# Altium PCB Angler_Main_PCB_V2.PcbDoc (part 1 of 2) (continued)
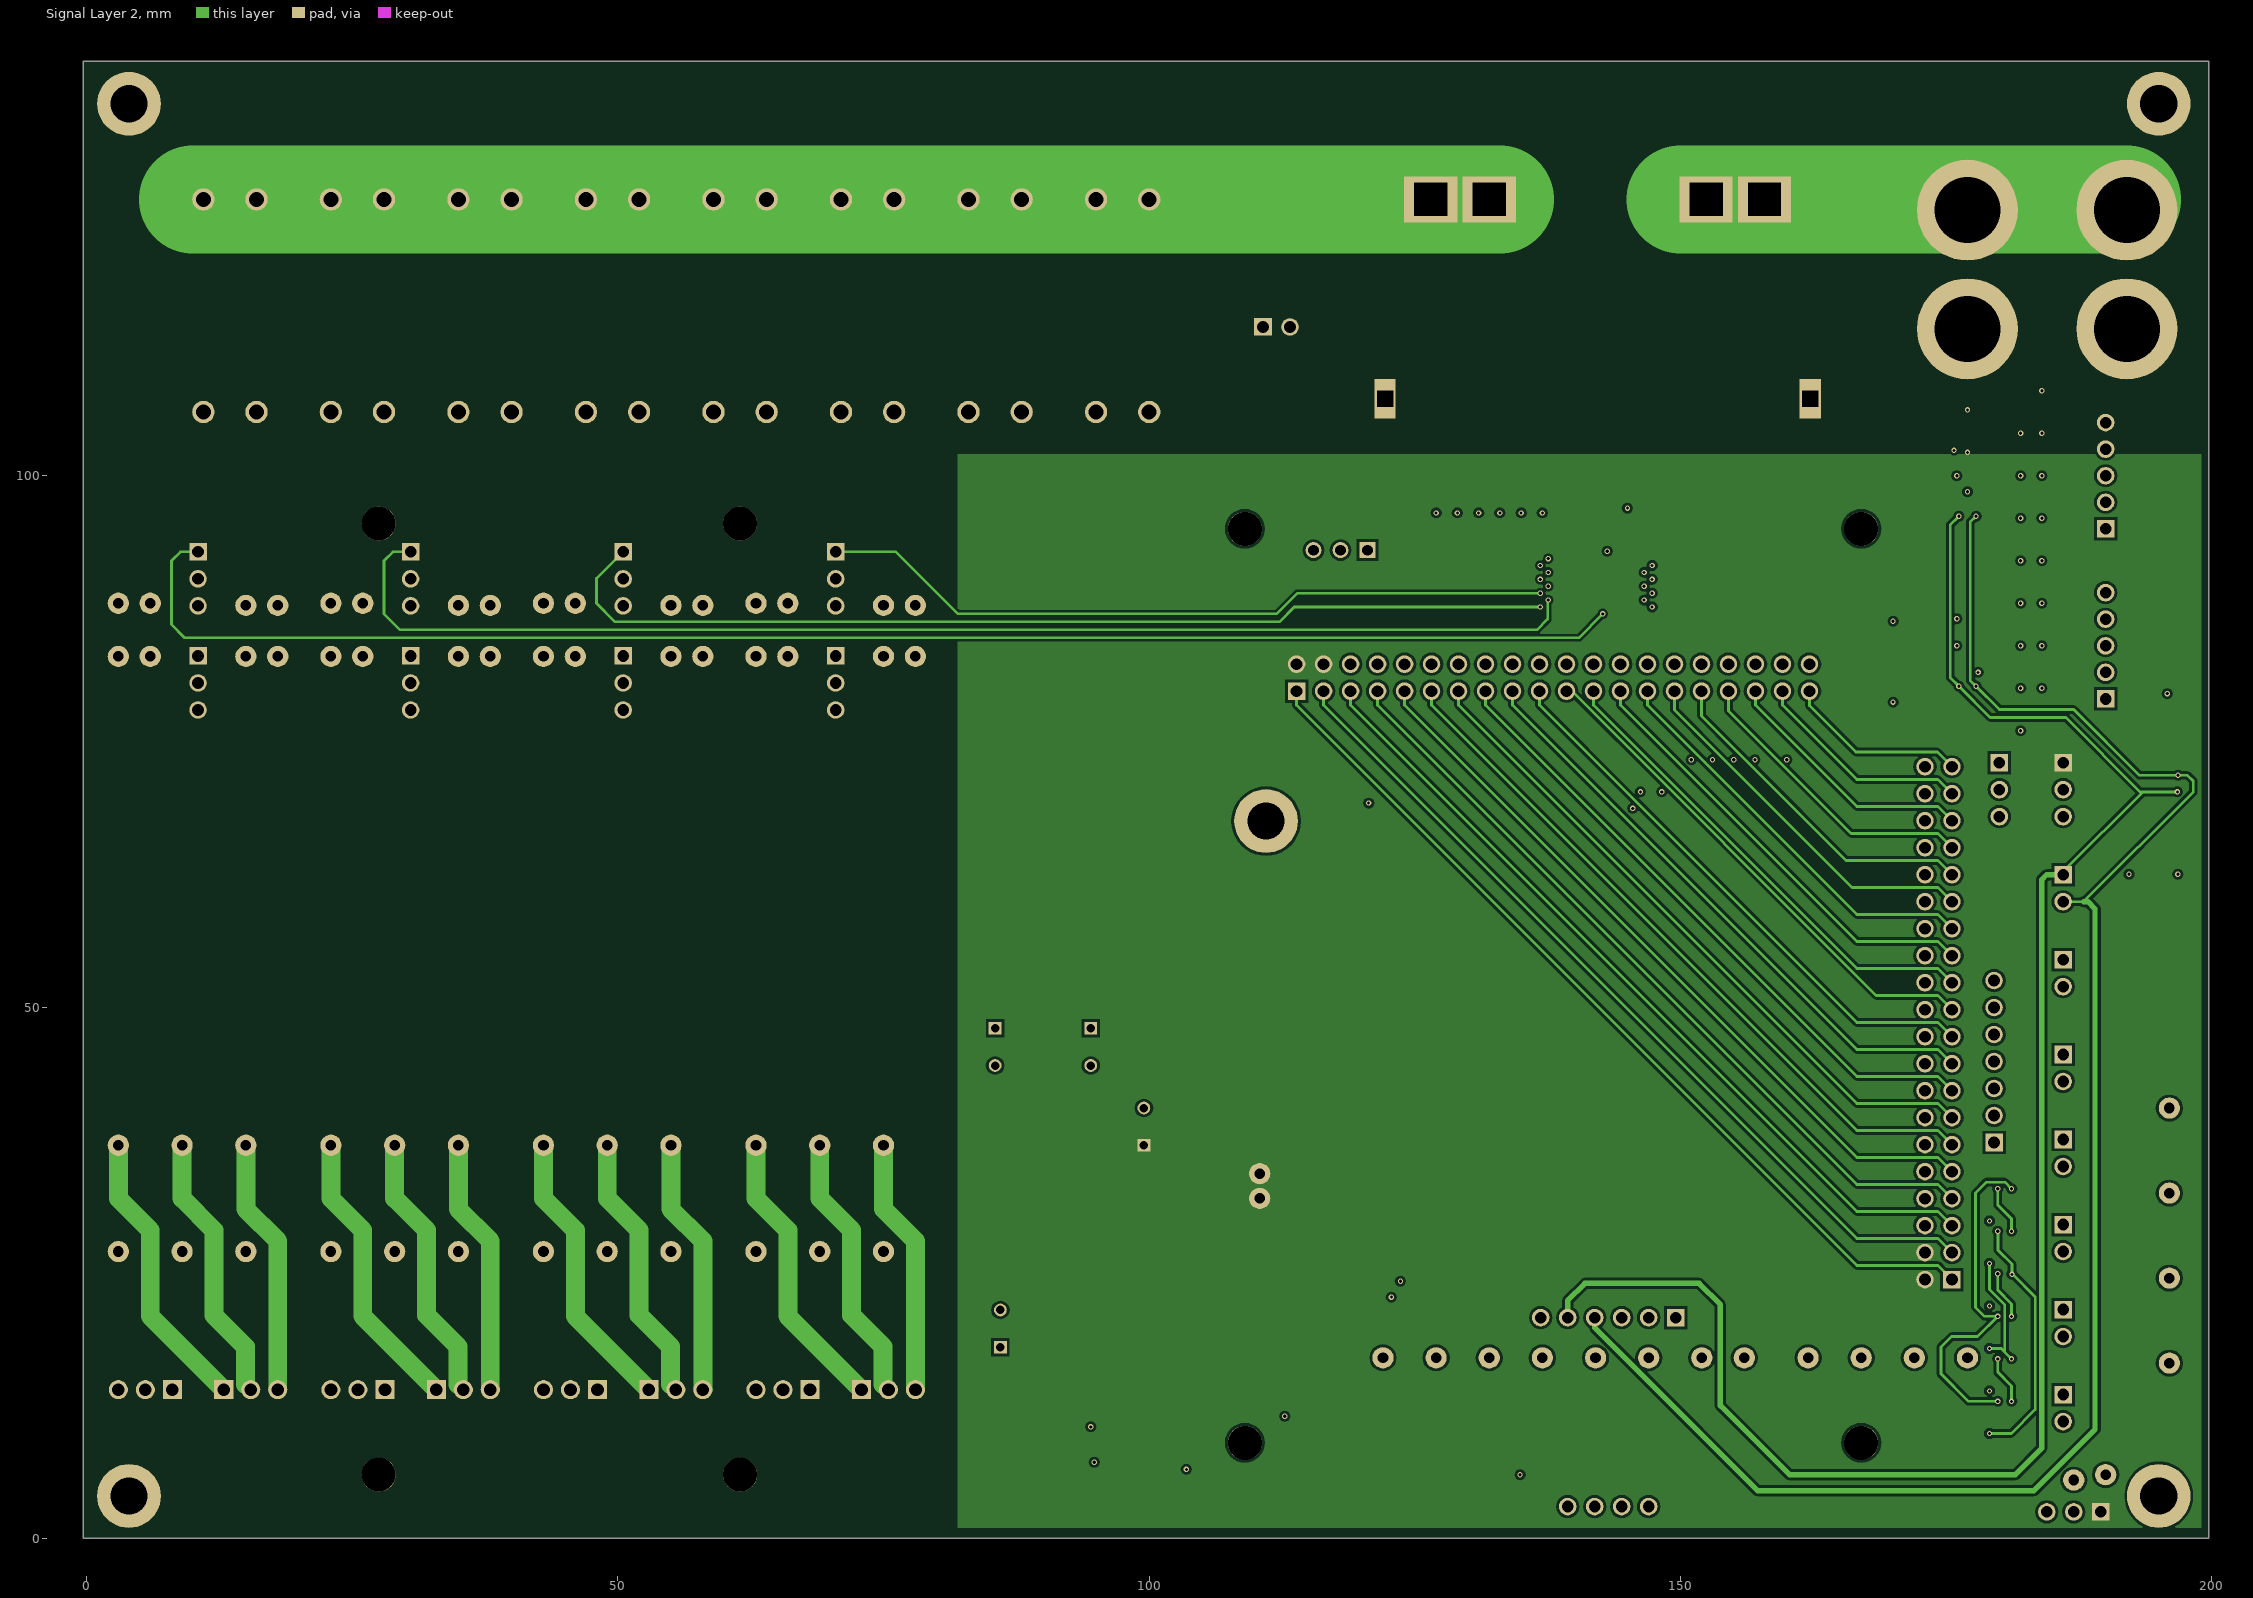
[diagram p3: Signal Layer 2]
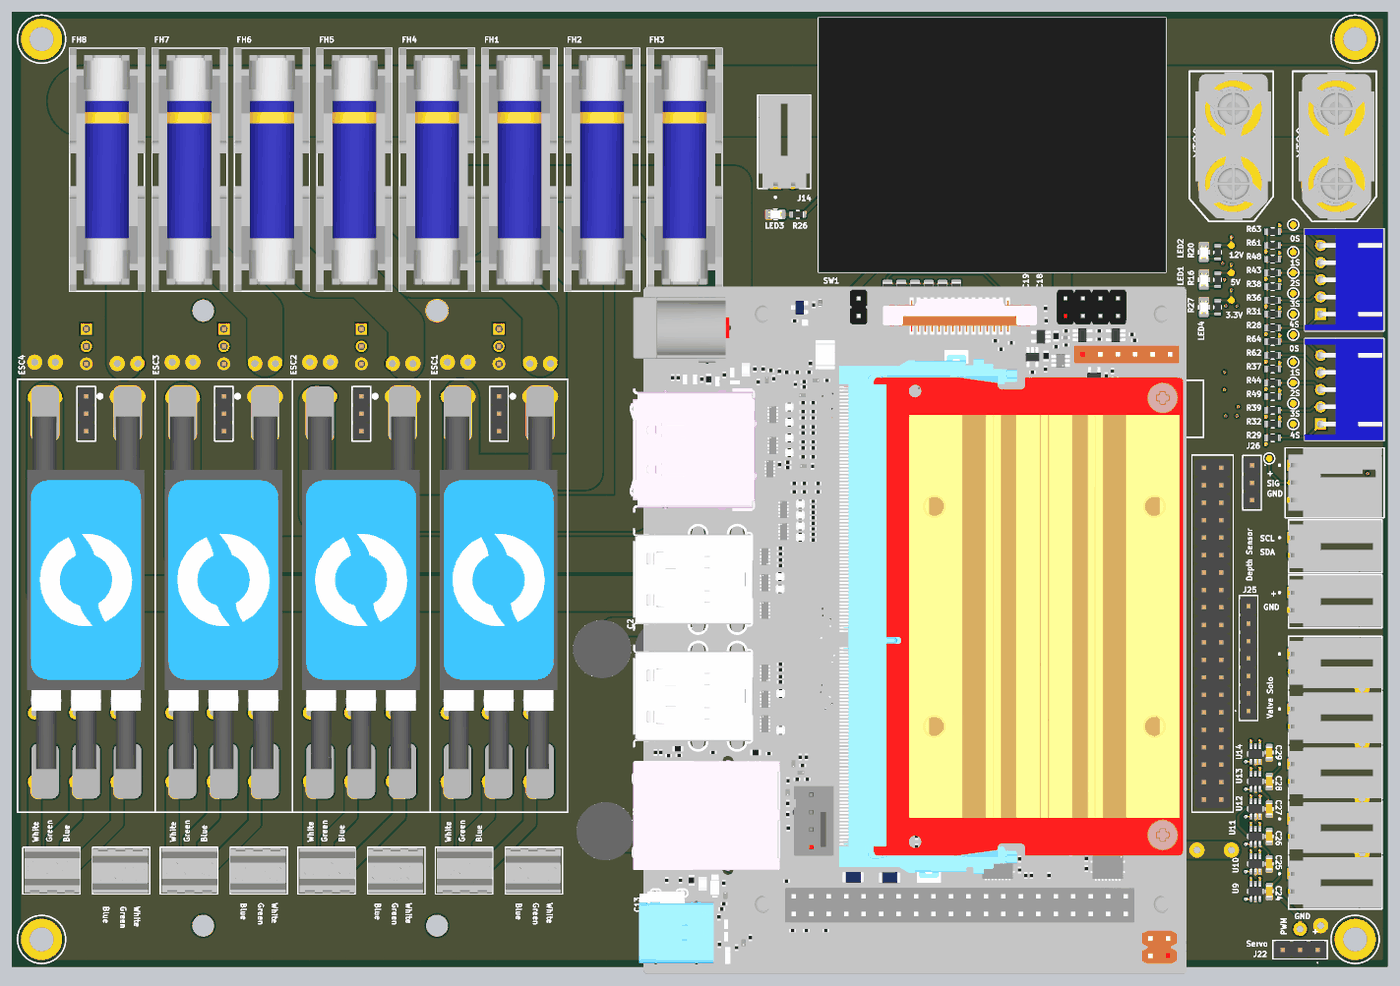
[diagram p5: 3D render of the assembled board from above, using the file's embedded part models]
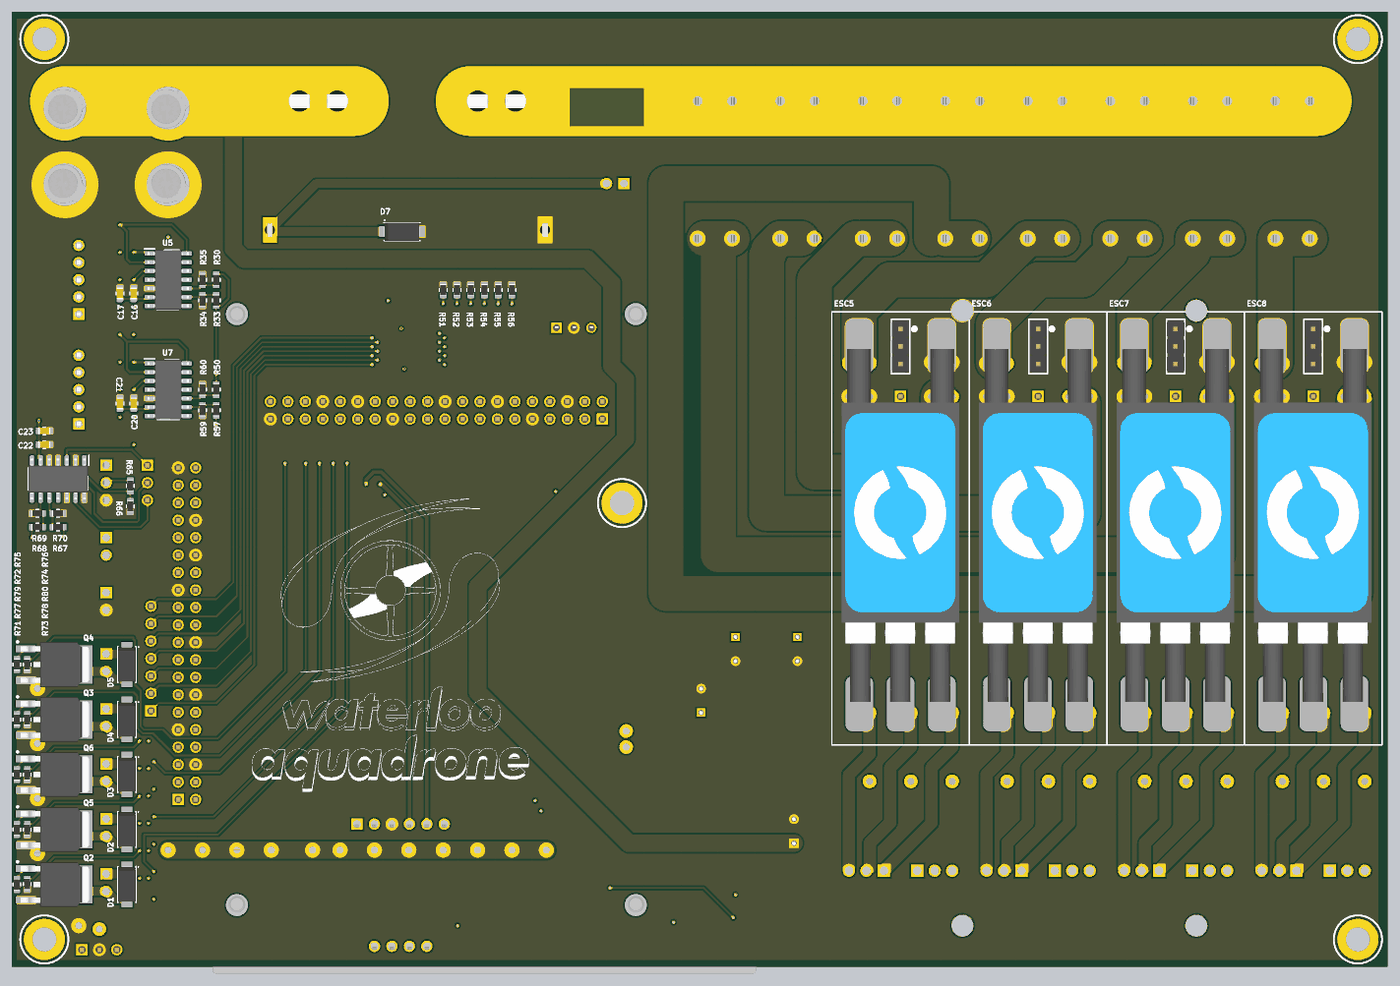
[diagram p6: 3D render of the assembled board from below, using the file's embedded part models]

## Layer stack, top to bottom
Top Solder: solder mask 0.0102, Solder Resist, Dk 3.5
Top Layer: signal copper 0.0356
Dielectric 1: core 0.254, FR-4, Dk 4.2
Signal Layer 1: signal copper 0.036
Dielectric 3: prepreg 0.127, FR-4, Dk 4.2
Signal Layer 2: signal copper 0.036
Dielectric 2: core 0.254, FR-4, Dk 4.2
Bottom Layer: signal copper 0.0356
Bottom Solder: solder mask 0.0102, Solder Resist, Dk 3.5

## Board outline
-0.3,0 199.7,0 199.7,139 -0.3,139

## Design rules (kind name [scope] priority, off if disabled: settings)
Clearance [All] p1: gap=0.254 ignorepadtopadclearanceinfootprint=FALSE except(0.178: SMDPad-SMDPad)
Height [All] p1: minheight=0 maxheight=50.8 prefheight=12.7
HoleSize [All] p1: absolutevalues=TRUE maxlimit=6.3 minlimit=0.2 maxpercent=80.000 minpercent=20.000
MinimumAnnularRing [All] p1: minimumring=0.076
MinimumSolderMaskSliver [All] p1: minsoldermaskwidth=0.046
PolygonConnect [All] p1: connectstyle=Direct reliefconductorwidth=0.254 reliefentries=4 polygonreliefangle="90 Angle" airgapwidth=0.254
RoutingVias [All] p1: holewidth=0.3 width=0.5 viastyle="Through Hole" minholewidth=0.2 minwidth=0.45 maxholewidth=1 maxwidth=1.27
SilkToSilkClearance [All] p1: silktosilkclearance=0.178
SilkToSolderMaskClearance [IsPad] p1: minsilkscreentomaskgap=0.114 clearancetoexposedcopper=TRUE
SolderMaskExpansion [All] p1: expansion=0.102
Width [All] p1: maxlimit=15.24 minlimit=0.254 preferedwidth=0.254
25 further rules are at their usual default settings.

## Classes and differential pairs
component class S6_Solenoid_Valve_Interlock: C24 C25 C26 C27 C28 C29 Q2 Q3 Q4 Q5 Q6 R71 R72 R73 R74 R75 R76 R77 R78 R79 R80 U9 U10 U11 U12 U13 U14
component class S5_Communications: C16 C17 C18 C19 C20 C21 C22 C23 J25 J26 R28 R29 R30 R31 R32 R33 R34 R35 R36 R37 R38 R39 R40 R41 R42 R43 R44 R45 R46 R47 R48 R49 R50 R51 R52 R53 R54 R55 R56 R57 R58 R59 R60 R61 R62 R63 R64 R65 R66 R67 R68 R69 R70 TP4 TP5 TP6 TP7 TP8 TP9 TP10 TP11 TP12 TP13 TP14 U5 U6 U7 U8
component class S4_Power_Supply: C1 C2 C3 C4 C5 C7 C8 C9 C10 C11 C12 C13 C14 C15 D6 D7 L1 LED1 LED2 LED3 LED4 Q1 R16 R17 R18 R19 R20 R21 R22 R23 R24 R25 R26 R27 SW1 TP1 TP2 TP3 U2 U3 U4
component class S3_Connectors: D1 D2 D3 D4 D5 ESC1 ESC2 ESC3 ESC4 ESC5 ESC6 ESC7 ESC8 FH1 FH2 FH3 FH4 FH5 FH6 FH7 FH8 J1 J2 J3 J4 J5 J6 J7 J8 J9 J10 J11 J12 J13 J14 J15 J16 J17 J18 J19 J20 J21 J22 J23 J24 R1 R2 R3 R4 R5 R6 R7 R8 R9 R10 R11 R12 R13 R14 R15 U1
component class S1_Cover_Page: H1 H2 H3 H4 H5

## Components (designator, comment, footprint, x,y, rotation, side; value= is the part's Value field where it differs from the comment)
C1 "CAP CER 4.7UF 35V X5R 0805" CAPC2012X14N 110,19.5 r270 top value=4.7uF
C2 "CAP ALUM 33UF 20% 100V RADIAL" CAPPRD350W60D825H1700 85.5,48 r270 top locked value=33uF
C3 "CAP ALUM 33UF 20% 100V RADIAL" CAPPRD350W60D825H1700 94.5,48 r270 top locked value=33uF
C4 "CAP ALUM 330UF 20% 25V TH" CAPPRD350W60D850H1300 99.5,37 r90 top locked value=330uF
C5 "CAP CER 0.047UF 50V X7R 0603" CAPC1608X09N 107.5,37 r90 top value=47nF
C7 "CAP CER 0.47UF 16V X7R 0603" CAPC1608X09N 107,40.5 r0 top value=0.47uF
C8 "CAP CER 22UF 25V X7R 1210" CAPC3225X28N 119.5,15 r270 top value=22uF
C9 "CAP ALUM 33UF 20% 100V RADIAL" CAPPRD350W60D825H1700 86,18 r90 top value=33uF
C10 "CAP CER 0.1UF 25V X7R 0603" CAPC1608X09N 100.4,10.5 r0 top value=0.1uF
C11 "CAP CER 2000PF 50V X7R 0603" CAPC1608X09N 93.5,5.5 r90 top value=2nF
C12 "CAP CER 750PF 50V X7R 0603" CAPC1608X09N 97.2,10.5 r180 top value=750pF
C13 "CAP CER 0.47UF 16V X7R 0603" CAPC1608X09N 92,8.5 r270 top value=0.47uF
C14 "CAP CER 10UF 25V X5R 0603" CAPC1608X09N 119.75,96 r0 top value=10uF
C15 "CAP CER 10UF 25V X5R 0603" CAPC1608X09N 116.25,96 r180 top value=10uF
C16 "CAP CER 0.1UF 16V X7R 0603" CAPC1608X09N 182,98 r270 bottom locked value=0.1uF
C17 "CAP CER 10UF 25V X5R 0603" CAPC1608X09N 184,98 r270 bottom locked value=10uF
C18 "CAP CER 10UF 25V X5R 0603" CAPC1608X09N 149,96.5 r270 top value=10uF
C19 "CAP CER 0.1UF 16V X7R 0603" CAPC1608X09N 147,96.5 r270 top value=0.1uF
C20 "CAP CER 0.1UF 16V X7R 0603" CAPC1608X09N 182,82 r270 bottom locked value=0.1uF
C21 "CAP CER 10UF 25V X5R 0603" CAPC1608X09N 184,82 r270 bottom locked value=10uF
C22 "CAP CER 0.1UF 16V X7R 0603" CAPC1608X09N 195,76 r0 bottom value=0.1uF
C23 "CAP CER 10UF 25V X5R 0603" CAPC1608X09N 195,78 r0 bottom value=10uF
C24 "CAP CER 0.1UF 16V X7R 0603" CAPC1608X09N 182.5,11 r90 top value=0.1uF
C25 "CAP CER 0.1UF 16V X7R 0603" CAPC1608X09N 182.5,15 r90 top value=0.1uF
C26 "CAP CER 0.1UF 16V X7R 0603" CAPC1608X09N 182.5,19 r90 top value=0.1uF
C27 "CAP CER 0.1UF 16V X7R 0603" CAPC1608X09N 182.5,23 r90 top value=0.1uF
C28 "CAP CER 0.1UF 16V X7R 0603" CAPC1608X09N 182.5,27 r90 top value=0.1uF
C29 "CAP CER 0.1UF 16V X7R 0603" CAPC1608X09N 182.5,31.2 r90 top value=0.1uF
D1 "DIODE GEN PURP 400V 1A SMA" DIOM5226X295N 183,12 r270 bottom locked value=S1GTR
D2 "DIODE GEN PURP 400V 1A SMA" DIOM5226X295N 183,20 r270 bottom locked value=S1GTR
D3 "DIODE GEN PURP 400V 1A SMA" DIOM5226X295N 183,28 r270 bottom locked value=S1GTR
D4 "DIODE GEN PURP 400V 1A SMA" DIOM5226X295N 183,36 r270 bottom locked value=S1GTR
D5 "DIODE GEN PURP 400V 1A SMA" DIOM5226X295N 183,44 r270 bottom locked value=S1GTR
D6 "DIODE SCHOTTKY 100V 5A DO221AC" SODFL5226X100N 114.5,17 r180 top value="100V 5A"
D7 "DIODE GEN PURP 400V 1A SMA" DIOM5226X295N 143,107 r180 bottom value=S1GTR
ESC1 "Basic ESC" "ESC BR" 70.5,75.5 r270 top locked
ESC2 "Basic ESC" "ESC BR" 50.5,75.5 r270 top locked
ESC3 "Basic ESC" "ESC BR" 30.5,75.5 r270 top locked
ESC4 "Basic ESC" "ESC BR" 10.5,75.5 r270 top locked
ESC5 "Basic ESC" "ESC BR" 70.5,85.3 r270 bottom locked
ESC6 "Basic ESC" "ESC BR" 50.5,85.3 r270 bottom locked
ESC7 "Basic ESC" "ESC BR" 30.5,85.3 r270 bottom locked
ESC8 "Basic ESC" "ESC BR" 10.5,85.3 r270 bottom locked
FH1 "FUSE BLOK CARTRIDGE 600V 16A PCB" FUSE-HOLDER(5X20) 73.5,116 r270 top locked value="Fuse Holder"
FH2 "FUSE BLOK CARTRIDGE 600V 16A PCB" FUSE-HOLDER(5X20) 85.5,116 r270 top locked value="Fuse Holder"
FH3 "FUSE BLOK CARTRIDGE 600V 16A PCB" FUSE-HOLDER(5X20) 97.5,116 r270 top locked value="Fuse Holder"
FH4 "FUSE BLOK CARTRIDGE 600V 16A PCB" FUSE-HOLDER(5X20) 61.5,116 r270 top locked value="Fuse Holder"
FH5 "FUSE BLOK CARTRIDGE 600V 16A PCB" FUSE-HOLDER(5X20) 49.5,116 r270 top locked value="Fuse Holder"
FH6 "FUSE BLOK CARTRIDGE 600V 16A PCB" FUSE-HOLDER(5X20) 37.5,116 r270 top locked value="Fuse Holder"
FH7 "FUSE BLOK CARTRIDGE 600V 16A PCB" FUSE-HOLDER(5X20) 25.5,116 r270 top locked value="Fuse Holder"
FH8 "FUSE BLOK CARTRIDGE 600V 16A PCB" FUSE-HOLDER(5X20) 13.5,116 r270 top locked value="Fuse Holder"
H1 "MTG_HOLE PTH, 3.0mm" MH_PTH_H3.0mmXP6.0mm 195,4 r90 top locked value=PTH_3.0MM
H2 "MTG_HOLE PTH, 3.0mm" MH_PTH_H3.0mmXP6.0mm 4,4 r90 top locked value=PTH_3.0MM
H3 "MTG_HOLE PTH, 3.0mm" MH_PTH_H3.0mmXP6.0mm 195,135 r90 top locked value=PTH_3.0MM
H4 "MTG_HOLE PTH, 3.0mm" MH_PTH_H3.0mmXP6.0mm 4,135 r90 top locked value=PTH_3.0MM
H5 "MTG_HOLE PTH, 3.0mm" MH_PTH_H3.0mmXP6.0mm 111,67.5 r90 top value=PTH_3.0MM
J1 "CONN XT90 MALE" XT90 177,113.824 r90 top locked value=XT90-M
J2 "CONN HEADER R/A 2POS 2.54MM" SHDRRA2W109P0_254_1X2_762X1359X699P 186,13.54 r90 top value=0705530001
J3 "CONN HEADER R/A 2POS 2.54MM" SHDRRA2W109P0_254_1X2_762X1359X699P 186,21.54 r90 top value=0705530001
J4 "CONN HEADER R/A 2POS 2.54MM" SHDRRA2W109P0_254_1X2_762X1359X699P 186,29.54 r90 top value=0705530001
J5 "CONN HEADER R/A 2POS 2.54MM" SHDRRA2W109P0_254_1X2_762X1359X699P 186,37.54 r90 top value=0705530001
J6 "CONN HEADER R/A 2POS 2.54MM" SHDRRA2W109P0_254_1X2_762X1359X699P 186,45.54 r90 top value=0705530001
J7 "CONN HEADER R/A 5POS 2.5MM" SHDR5W64P0X250_1X5_1490X1150X610P 190,95 r270 top locked value="LiPo Cells (JST-XH)"
J8 "TERM BLK 3P SIDE ENT 2.54MM PCB" SHDR3W100P0X254_1X3_808X650X1030P 68.08,14 r180 top locked value="TERM BLK 3 POS"
J9 "Jetson Nano 40 Pin Interface" "Jetson Nano" 138,87 r0 top locked value="Jetson Nano 40 Pin"
J10 "CONN XT90 MALE" XT90 192,113.824 r90 top locked value=XT90-M
J11 "CONN HEADER R/A 5POS 2.5MM" SHDR5W64P0X250_1X5_1490X1150X610P 190,79 r270 top locked value="LiPo Cells (JST-XH)"
J12 "TERM BLK 3P SIDE ENT 2.54MM PCB" SHDR3W100P0X254_1X3_808X650X1030P 48.08,14 r180 top locked value="TERM BLK 3 POS"
J13 "CONN HEADER VERT 40POS 2.54MM" 67997-140HLF 168.27,48.49 r90 top locked value="CONN HEADER VERT 40POS"
J14 "CONN HEADER R/A 2POS 2.54MM" SHDRRA2W109P0_254_1X2_762X1359X699P 110.71,114 r180 top value=0705530001
J15 "TERM BLK 3P SIDE ENT 2.54MM PCB" SHDR3W100P0X254_1X3_808X650X1030P 28.08,14 r180 top locked value="TERM BLK 3 POS"
J16 "CONN HEADER R/A 2POS 2.54MM" SHDRRA2W109P0_254_1X2_762X1359X699P 186,54.46 r90 top locked value=0705530001
J17 "TERM BLK 3P SIDE ENT 2.54MM PCB" SHDR3W100P0X254_1X3_808X650X1030P 8.08,14 r180 top locked value="TERM BLK 3 POS"
J18 "CONN HEADER R/A 3POS 2.54MM" SHDR3W89P0X254_1X3_1017X1359X699P 186,73 r270 top locked value=0705530002
J19 "CONN HEADER R/A 2POS 2.54MM" SHDRRA2W109P0_254_1X2_762X1359X699P 186,62.46 r90 top locked value=0705530001
J20 "TERM BLK 3P SIDE ENT 2.54MM PCB" SHDR3W100P0X254_1X3_808X650X1030P 72.92,14 r0 top locked value="TERM BLK 3 POS"
J21 "TERM BLK 3P SIDE ENT 2.54MM PCB" SHDR3W100P0X254_1X3_808X650X1030P 52.92,14 r0 top locked value="TERM BLK 3 POS"
J22 "CONN HEADER VERT 3POS 2.54MM" 61300311121 189.54,2.5 r180 top value="HEADER VERT 3POS"
J23 "TERM BLK 3P SIDE ENT 2.54MM PCB" SHDR3W100P0X254_1X3_808X650X1030P 32.92,14 r0 top locked value="TERM BLK 3 POS"
J24 "TERM BLK 3P SIDE ENT 2.54MM PCB" SHDR3W100P0X254_1X3_808X650X1030P 12.92,14 r0 top locked value="TERM BLK 3 POS"
J25 "CONN HEADER VERT 7POS 2.54MM" 61300711121 179.5,37.26 r90 top value="HEADER VERT 7POS"
J26 "CONN HEADER VERT 3POS 2.54MM" 61300311121 180,73 r270 top locked value="HEADER VERT 3POS"
L1 "INDUCT ARRAY 2 COIL 9.654UH SMD" DRQ125100R 99.5,19.5 r180 top value=9.654µH
LED1 "LED GREEN CLEAR 0805 SMD" LED0805 173,100 r270 top value="GREEN 0805"
LED2 "LED GREEN CLEAR 0805 SMD" LED0805 173,104 r270 top value="GREEN 0805"
LED3 "LED GREEN CLEAR 0805 SMD" LED0805 110.7,109.5 r0 top value="GREEN 0805"
LED4 "LED GREEN CLEAR 0805 SMD" LED0805 173,96 r270 top value="GREEN 0805"
Q1 "MOSFET N-CH 60V 46A DPAK" TO229P990X238-4N 115.5,25 r180 top value="16mOhm @ 20A, 10V"
Q2 "MOSFET N-CH 60V 46A DPAK" TO229P990X238-4N 193.6,12 r180 bottom value="16mOhm @ 20A, 10V"
Q3 "MOSFET N-CH 60V 46A DPAK" TO229P990X238-4N 193.6,36 r180 bottom value="16mOhm @ 20A, 10V"
Q4 "MOSFET N-CH 60V 46A DPAK" TO229P990X238-4N 193.6,44 r180 bottom value="16mOhm @ 20A, 10V"
Q5 "MOSFET N-CH 60V 46A DPAK" TO229P990X238-4N 193.6,20 r180 bottom value="16mOhm @ 20A, 10V"
Q6 "MOSFET N-CH 60V 46A DPAK" TO229P990X238-4N 193.6,28 r180 bottom value="16mOhm @ 20A, 10V"
R1 "RES SMD 0 OHM JUMPER 1/8W 0805" RESC2012X07N 116.5,75 r90 top locked value=0R
R2 "RES SMD 0 OHM JUMPER 1/8W 0805" RESC2012X07N 119,75 r90 top locked value=0R
R3 "RES SMD 0 OHM JUMPER 1/8W 0805" RESC2012X07N 147,75 r90 top locked value=0R
R4 "RES SMD 0 OHM JUMPER 1/8W 0805" RESC2012X07N 149,75 r270 top locked value=0R
R5 "RES SMD 0 OHM JUMPER 1/8W 0805" RESC2012X07N 151,75 r90 top locked value=0R
R6 "RES SMD 0 OHM JUMPER 1/8W 0805" RESC2012X07N 153,75 r90 top locked value=0R
R7 "RES SMD 0 OHM JUMPER 1/8W 0805" RESC2012X07N 155,75 r90 top locked value=0R
R8 "RES SMD 0 OHM JUMPER 1/8W 0805" RESC2012X07N 157,75 r90 top locked value=0R
R9 "RES SMD 0 OHM JUMPER 1/8W 0805" RESC2012X07N 160,75 r90 top locked value=0R
R10 "RES SMD 10K OHM 1% 1/10W 0603" RESC1608X06N 116.5,70 r270 top locked value=10K
R11 "RES SMD 10K OHM 1% 1/10W 0603" RESC1608X06N 119,70 r270 top locked value=10K
R12 "RES SMD 10K OHM 1% 1/10W 0603" RESC1608X06N 147,69.5 r270 top locked value=10K
R13 "RES SMD 10K OHM 1% 1/10W 0603" RESC1608X06N 149,69.5 r270 top locked value=10K
R14 "RES SMD 0 OHM JUMPER 1/8W 0805" RESC2012X07N 137.5,6 r0 top value=0R
R15 "RES SMD 0 OHM JUMPER 1/8W 0805" RESC2012X07N 141,6 r0 top value=0R
R16 "RES SMD 10K OHM 1% 1/10W 0603" RESC1608X06N 175,100 r90 top value=10K
R17 "RES SMD 5.62K OHM 1% 1/10W 0603" RESC1608X06N 107,43.5 r180 top value=5K62
R18 "RES SMD 84.5K OHM 1% 1/10W 0603" RESC1608X06N 114.4,13 r90 top value=84.5K
R19 "RES SMD 1.07K OHM 1% 1/10W 0603" RESC1608X06N 107,42 r0 top value=1K07
R20 "RES SMD 10K OHM 1% 1/10W 0603" RESC1608X06N 175,104 r90 top value=10K
R21 "RES SMD 100 OHM 1% 1/10W 0603" RESC1608X06N 120.5,25 r90 top value=100R
R22 "RES SMD 348 OHM 1% 1/10W 0603" RESC1608X06N 93.5,8.5 r270 top value=348R
R23 "RES SMD 36K OHM 1% 0.15W 0603" RESC1608X06N 103.5,8 r180 top value=36K
R24 "RES 0.013 OHM 1W 1206 WIDE" RESC1632X60N 119.5,30.5 r270 top value=0R013
R25 "RES SMD 10K OHM 1% 1/10W 0603" RESC1608X06N 114.4,10 r90 top value=10K
R26 "RES SMD 10K OHM 1% 1/10W 0603" RESC1608X06N 113.95,109.5 r0 top value=10K
R27 "RES SMD 10K OHM 1% 1/10W 0603" RESC1608X06N 175,96 r90 top value=10K
R28 "RES SMD 127K OHM 1% 1/10W 0603" RESC1608X06N 183,93 r0 top locked value=127K
R29 "RES SMD 127K OHM 1% 1/10W 0603" RESC1608X06N 183,77 r0 top locked value=127K
R30 "RES SMD 10K OHM 1% 1/10W 0603" RESC1608X06N 170,100 r270 bottom locked value=10K
R31 "RES SMD 28.7K OHM 1% 1/10W 0603" RESC1608X06N 183,95 r180 top locked value=28.7K
R32 "RES SMD 28.7K OHM 1% 1/10W 0603" RESC1608X06N 183,79 r180 top locked value=28.7K